# Altium PCB MainBoard.PcbDoc (part 2 of 2)
Units mm, origin at the board's own origin, x right, y up, seen from the top; angles counter-clockwise.
Board outline 225.25 x 90.25 mm, 2 copper layers (Top Layer, Bottom Layer); 103 components, 94 nets, 471 pads, 174 vias.
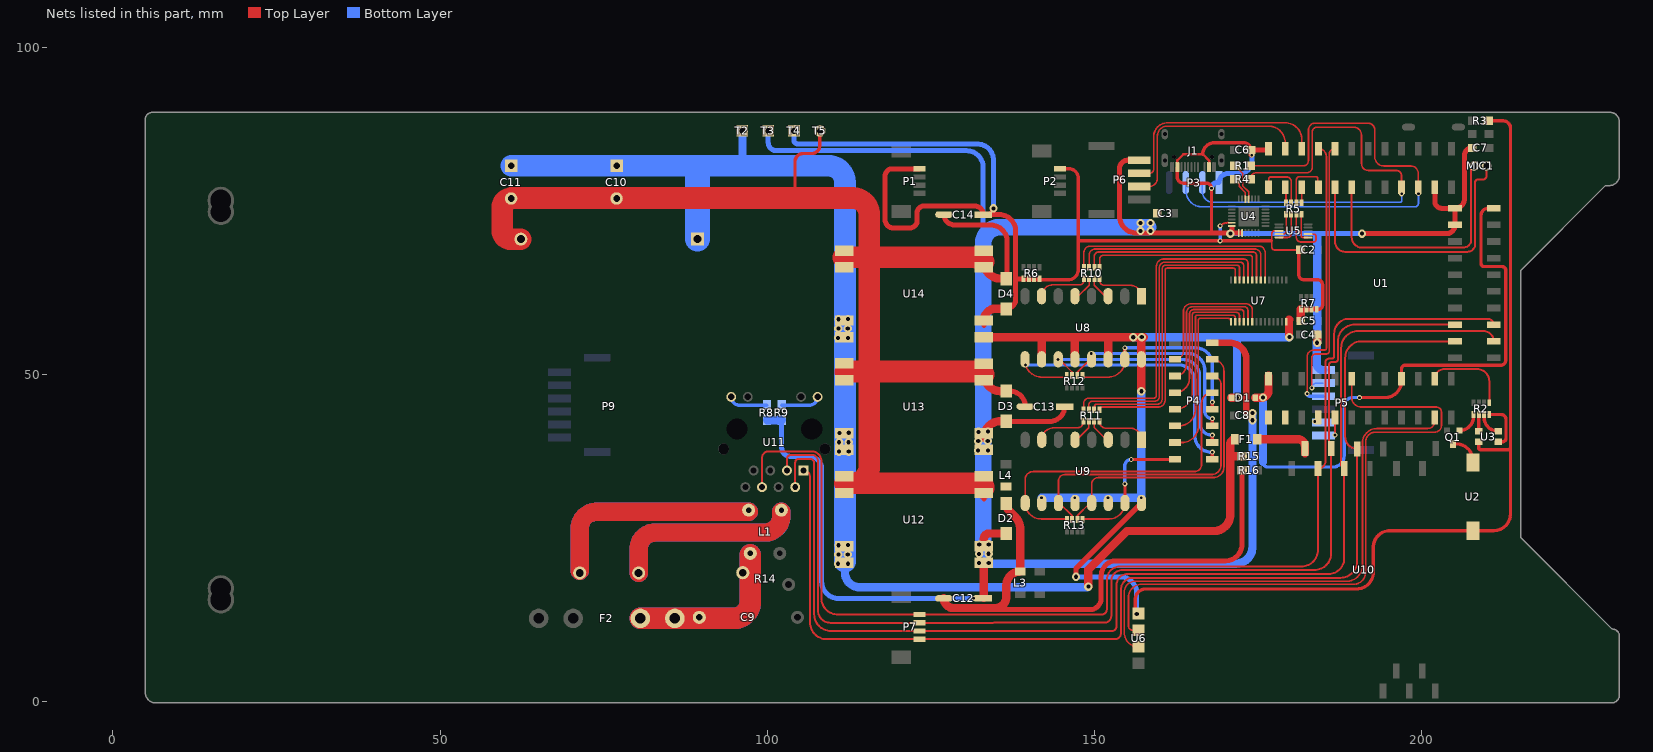
[diagram p2: the nets of this part, all layers, seen from the top]

## Via types
v1: diameter 0.762, hole 0.406, Top Layer to Bottom Layer, 110 vias
v2: diameter 1.27, hole 0.635, Top Layer to Bottom Layer, 64 vias

## Nets (pads, with @x,y where several pads share a name; then routed paths per layer and width w, separated by ;. In a path a pad name is that pad's centre, name@x,y a point inside that pad or via, vN(x,y) a via of type N, cw(c..) or ccw(c..) an arc to the next point about the centre after c; other vN are vias at no path point) (continued)
LEDR(C1): R2.5 U1.45 | length 13.5
  Top Layer w0.305: U1.45@201.973,49.356 cw(c203.467,49.356) 203.467,50.851 208.407,50.851 cw(c208.407,48.959) 210.299,48.959 R2.5@210.299,45.669
MICN: MIC1.2 U1.12 | length 38.9
  Top Layer w0.305: U1.12@189.278,78.618 189.278,70.997 ccw(c190.881,70.997) 190.881,69.393 206.316,69.393 ccw(c206.316,70.62) 207.543,70.62 207.543,81.453 MIC1.2@207.966,81.876
MICP: MIC1.1 U1.10 | length 43.9
  Top Layer w0.305: U1.10@186.738,78.618 186.738,70.278 ccw(c188.258,70.278) 188.258,68.758 206.959,68.758 ccw(c206.959,69.952) 208.153,69.952 208.153,79.4 cw(c208.559,79.4) 208.559,79.807 209.321,79.807 ccw(c209.321,80.376) 209.891,80.376 MIC1.1@209.891,81.266
MOTOR0: P4.1 R12.8 U8.9 | length 48.6
  Top Layer w0.254: U8.9@139.37,52.146 ccw(c141.91,52.146) 141.91,49.606 R12.8@145.745,49.606
  Top Layer w0.508: P4.1@167.982,37.076 v1(167.982,38.137)
  Bottom Layer w0.508: v1(139.446,51.46) 162.865,51.46 cw(c162.865,49.022) 164.256,51.025 cw(c162.865,49.022) 165.303,49.022 165.303,40.677 ccw(c167.843,40.677) 167.843,38.137 v1(167.982,38.137)
MOTOR1: P4.3 R12.7 U8.11 | length 37.8
  Top Layer w0.254: U8.11@144.45,52.324 144.602,52.324 146.545,50.381 R12.7@146.545,49.86
  Top Layer w0.508: P4.3@167.982,39.616 v1(167.982,40.728)
  Bottom Layer w0.508: v1(144.399,52.299) 163.5,52.299 cw(c163.5,49.759) 166.04,49.759 166.04,42.67 ccw(c167.982,42.67) v1(167.982,40.728)
MOTOR2: P4.5 R12.6 U8.13 | length 31.2
  Top Layer w0.254: R12.6@147.345,49.86 147.345,50.343 U8.13@149.327,52.324
  Top Layer w0.508: P4.5@167.982,42.156 v1(167.982,43.256)
  Bottom Layer w0.508: v1(149.504,53.213) 164.287,53.213 cw(c164.287,50.673) 166.827,50.673 166.827,44.411 ccw(c167.982,44.411) v1(167.982,43.256)
MOTOR3: P4.7 R12.5 U8.15 | length 31.4
  Top Layer w0.254: R12.5@148.145,49.606 152.07,49.606 ccw(c152.07,52.146) U8.15@154.61,52.146
  Top Layer w0.508: v1@154.584,54.102 cw(c154.584,54.077) v1(154.61,54.077) U8.15@154.61,52.324 ; P4.7@167.982,44.696 v1(167.982,45.783)
  Bottom Layer w0.508: v1(154.61,54.077) 165.442,54.077 cw(c165.442,51.537) 167.982,51.537 v1(167.982,45.783)
MOTOR4: P4.9 R13.8 U9.9 | length 51.2
  Top Layer w0.254: 145.44,27.94 141.834,27.94 cw(c141.834,30.378) U9.9@139.395,30.378 139.395,33.96 cw(c140.614,33.96) 140.614,35.179 165.278,35.179 ccw(c165.278,36.246) 166.345,36.246 166.345,45.599 cw(c167.982,45.599) P4.9@167.982,47.236
MOTOR5: P4.11 R13.7 U9.11 | length 47.4
  Top Layer w0.254: R13.7@146.571,27.864 146.571,28.41 144.602,30.378 U9.11@144.475,30.378 144.475,33.763 cw(c145.434,33.763) 145.434,34.722 167.822,34.722 ccw(c167.822,36.216) 169.316,36.216 169.316,48.442 ccw(c167.982,48.442) P4.11@167.982,49.776
MOTOR6: P4.13 R13.6 U9.13 | length 45.3
  Top Layer w0.254: R13.6@147.371,27.864 147.371,28.448 U9.13@149.301,30.378 ; U9.13@149.555,30.378 149.555,33.238 cw(c150.582,33.238) 150.582,34.265 168.141,34.265 ccw(c168.141,35.885) 169.762,35.885 169.762,50.537 ccw(c167.982,50.537) P4.13@167.982,52.316
MOTOR7: P4.2 R13.5 U9.15 | length 21.5
  Top Layer w0.254: 148.501,27.94 152.197,27.94 ccw(c152.197,30.378) U9.15@154.635,30.378
  Top Layer w0.508: v1(154.61,33.299) cw(c154.61,33.274) 154.635,33.274 U9.15@154.635,30.378 ; v1(155.6,37.033) 162.231,37.033 162.282,37.084 P4.2@162.282,37.076 P4.2@162.239,37.033
  Bottom Layer w0.508: v1(154.61,33.299) 154.61,36.043 cw(c155.6,36.043) v1(155.6,37.033)
NetC9_2: C9.2 F2.2 L1.1 R14.2 | length 50.8
  Top Layer w3.302: F2.2@80.593,12.751 F2.2@85.863,12.751 94.854,12.751 ccw(c94.854,15.291) 97.394,15.291 L1.1@97.394,22.43
  Bottom Layer w3.302: F2.2@80.593,12.751 F2.2@85.863,12.751 94.854,12.751 ccw(c94.854,15.291) 97.394,15.291 L1.1@97.394,22.43
NetL1_2: L1.2 P9.1 | length 67.5
  Top Layer w2.794: P9.1@71.334,20.015 71.334,26.49 cw(c73.874,26.49) 73.874,29.03 L1.2@97.144,29.03
  Bottom Layer w2.794: P9.1@71.334,20.015 71.334,26.49 cw(c73.874,26.49) 73.874,29.03 L1.2@97.144,29.03
NetL1_3: L1.3 P9.2 | length 57.9
  Top Layer w2.794: P9.2@80.334,19.688 80.334,23.317 cw(c82.874,23.317) 82.874,25.857 99.56,25.857 ccw(c99.56,28.441) 102.144,28.441 L1.3@102.144,29.03
  Bottom Layer w2.794: P9.2@80.334,19.688 80.334,23.317 cw(c82.874,23.317) 82.874,25.857 99.604,25.857 ccw(c99.604,28.397) 102.144,28.397 L1.3@102.144,29.03
NetQ1_1: Q1.1 R2.1 | length 3.7
  Top Layer w0.508: Q1.1@205.728,41.431 ccw(c205.728,43.603) 207.899,43.603 R2.1@207.899,43.891
NetQ1_3: Q1.3 U2.2 | length 4.8
  Top Layer w0.508: Q1.3@204.763,39.399 205.261,39.399 cw(c205.261,36.859) 207.801,36.859 U2.2@207.801,36.552
NetR1_1: R1.1 U4.25 | length 6
  Top Layer w0.254: R1.1@171.459,81.902 172.644,80.717 172.644,78.816 173.537,77.923 U4.25@173.537,76.784
NetR2_2: R2.2 U3.1 | length 2.1
  Top Layer w0.508: U3.1@208.699,41.829 R2.2@208.699,43.891
NetR2_3: R2.3 U3.3 | length 3.8
  Top Layer w0.508: R2.3@209.499,43.891 209.499,43.514 ccw(c211.683,43.514) U3.3@211.683,41.33
NetR2_4: R2.4 U3.4 | length 7.3
  Top Layer w0.508: R2.4@210.299,43.891 212.126,43.891 cw(c212.126,43.165) 212.852,43.165 212.852,40.259 cw(c212.323,40.259) 212.323,39.73 U3.4@211.683,39.73
NetR4_1: R4.1 U4.26 | length 4.2
  Top Layer w0.254: R4.1@171.459,79.391 R4.1@171.459,79.845 172.085,79.219 172.085,78.764 173.037,77.813 U4.26@173.037,76.784
NetR5_5: R5.5 U5.9 | length 4
  Top Layer w0.254: U5.9@178.176,71.452 178.843,71.452 ccw(c178.843,71.882) 179.192,71.63 ccw(c178.843,71.882) 179.273,71.882 179.273,74.435 ccw(c179.235,74.435) R5.5@179.235,74.473
NetR5_6: R5.6 U5.10 | length 5.2
  Top Layer w0.254: U5.10@178.176,70.952 179.511,70.952 ccw(c179.511,71.476) 180.035,71.476 R5.6@180.035,74.473
NetR5_7: R5.7 U5.2 | length 9
  Top Layer w0.254: R5.7@180.835,74.473 180.835,70.929 ccw(c181.508,70.929) 181.508,70.256 183.464,70.256 ccw(c183.464,70.612) 183.82,70.612 183.82,71.171 ccw(c183.539,71.171) 183.539,71.452 U5.2@182.626,71.452
NetR5_8: R5.8 U5.1 | length 4.5
  Top Layer w0.254: R5.8@181.635,74.473 ccw(c181.635,74.397) 181.559,74.397 181.559,71.196 ccw(c181.804,71.196) 181.804,70.952 U5.1@182.626,70.952
NetR8_2: R8.2 U11.12 | length 6.2
  Bottom Layer w0.508: U11.12@94.478,46.588 ccw(c95.744,46.588) 95.744,45.322 R8.2@99.936,45.322
NetR9_2: R9.2 U11.9 | length 6.2
  Bottom Layer w0.508: R9.2@102.197,45.322 106.412,45.322 ccw(c106.412,46.588) U11.9@107.678,46.588
NetR10_1: R10.1 U8.7 | length 8.1
  Top Layer w0.254: U8.7@141.91,61.976 cw(c143.637,61.976) 143.637,63.703 147.701,63.703 ccw(c147.701,64.364) 148.362,64.364 R10.1@148.362,64.618
NetR10_2: R10.2 U8.5 | length 3.8
  Top Layer w0.254: U8.5@146.99,61.976 147.472,61.976 149.162,63.665 R10.2@149.162,64.618
NetR10_3: R10.3 U8.3 | length 3.8
  Top Layer w0.254: R10.3@149.962,64.618 149.962,63.652 151.638,61.976 U8.3@152.07,61.976
NetR10_4: R10.4 U8.1 | length 8
  Top Layer w0.254: R10.4@150.762,64.618 150.762,64.376 ccw(c151.511,64.376) 151.511,63.627 155.499,63.627 cw(c155.499,61.976) U8.1@157.15,61.976
NetR11_5: R11.5 U9.7 | length 8
  Top Layer w0.254: U9.7@141.935,40.03 cw(c143.764,40.03) 143.764,41.859 147.333,41.859 ccw(c147.333,42.85) R11.5@148.324,42.85
NetR11_6: R11.6 U9.5 | length 3.8
  Top Layer w0.254: U9.5@147.015,40.03 147.269,40.03 149.124,41.885 R11.6@149.124,42.85
NetR11_7: R11.7 U9.3 | length 3.6
  Top Layer w0.254: R11.7@149.924,42.85 149.924,41.923 U9.3@151.816,40.03
NetR11_8: R11.8 U9.1 | length 8.1
  Top Layer w0.254: R11.8@150.724,42.85 ccw(c151.765,42.85) 151.765,41.808 155.397,41.808 cw(c155.397,40.03) U9.1@157.175,40.03
PGND: C10.2 C11.2 C12.2 C13.2 C14.2 D2.1 D3.1 D4.1 L3.1 L4.2 P9.4 R16.2 T5.1 U12.1 U12.4 U13.1 U13.4 U14.1 U14.4 | length 307.9
  Top Layer w0.508: 104.216,76.973 104.216,82.499 cw(c105.486,82.499) 105.486,83.769 106.756,83.769 ccw(c106.756,85.039) 108.026,85.039 T5.1@108.026,87.224
  Top Layer w0.762: C14.2@126.997,74.447 ccw(c128.597,74.447) 128.597,72.847 134.112,72.847 cw(c134.112,70.307) 136.652,70.307 D4.1@136.652,64.668 ; 133.083,30.95 U12.4@133.083,31.905 ; 135.026,14.072 149.25,14.072 ccw(c149.25,15.824) 151.003,15.824 151.003,19.228 cw(c153.314,19.228) 153.314,21.539 170.019,21.539 ccw(c170.019,24.028) 172.508,24.028 R16.2@172.508,35.395 ; D3.1@136.525,47.473 137.056,47.473 cw(c137.056,45.11) C13.2@139.418,45.11 ccw(c137.081,45.11) D3.1@137.081,47.447
  Top Layer w1.27: C12.2@126.972,15.799 ccw(c128.445,15.799) 128.445,14.326 134.798,14.326 ccw(c134.798,16.053) 136.525,16.053 136.525,17.798 cw(c138.63,17.798) L3.1@138.63,19.903 138.63,26.434 ccw(c136.09,26.434) 137.886,28.23 137.002,29.114 cw(c138.217,30.328) D2.1@136.5,30.328 ; U13.4@133.083,49.147 133.083,50.013 ccw(c135.623,50.013) 135.623,47.473 D3.1@136.525,47.473 ; 133.083,67.208 ccw(c135.623,67.208) 135.623,64.668 D4.1@136.652,64.668
  Top Layer w2.032: U12.4@133.083,32.639 U12.4@133.083,34.061
  Top Layer w3.302: P9.4@62.334,70.688 60.757,70.688 cw(c60.757,71.933) 59.512,71.933 59.512,75.554 cw(c60.858,75.554) C11.2@60.858,76.9 cw(c60.931,76.9) 60.931,76.973 104.216,76.973 113.03,76.973 cw(c113.03,74.433) 115.57,74.433 115.57,67.92 ; 111.608,67.818 cw(c111.709,67.818) 111.709,67.92 115.57,67.92 ; 111.862,33.376 113.03,33.376 ; 111.938,50.394 cw(c112.014,50.394) 112.014,50.47 115.57,50.47 ; U12.4@133.083,32.639 ccw(c132.347,32.639) 132.347,33.376 113.03,33.376 ; 133.083,50.013 ccw(c131.98,48.909) 131.98,50.47 115.57,50.47 ; 133.083,67.208 ccw(c131.366,65.491) 131.366,67.92 115.57,67.92 ; 113.03,33.376 ccw(c113.03,35.916) 115.57,35.916 115.57,50.47 ; 115.57,50.47 115.57,67.92
PLC_12V: F1.2 U10.11 | length 8.9
  Top Layer w1.27: F1.2@174.866,40.107 181.073,40.107 cw(c181.073,39.042) 182.138,39.042 U10.11@182.138,37.998
PWM0: R10.8 U7.6 | length 35.2
  Top Layer w0.254: R10.8@148.362,66.396 148.362,68.631 cw(c149.352,68.631) 149.352,69.621 175.108,69.621 cw(c175.108,68.682) 176.048,68.682 U7.6@176.048,64.458
PWM1: R10.7 U7.7 | length 32.9
  Top Layer w0.254: R10.7@149.162,66.396 149.162,68.225 cw(c150.126,68.225) 150.126,69.19 174.447,69.19 cw(c174.447,68.239) 175.398,68.239 U7.7@175.398,64.458
PWM2: R10.6 U7.8 | length 30.9
  Top Layer w0.254: R10.6@149.962,66.396 149.962,68.072 cw(c150.622,68.072) 150.622,68.732 174.219,68.732 cw(c174.219,68.204) 174.747,68.204 U7.8@174.747,64.458
PWM3: R10.5 U7.9 | length 28.5
  Top Layer w0.254: R10.5@150.762,66.396 150.762,67.585 cw(c151.427,67.585) 151.427,68.25 173.685,68.25 cw(c173.685,67.838) 174.097,67.838 U7.9@174.097,64.458
PWM4: R11.4 U7.10 | length 50.1
  Top Layer w0.254: R11.4@148.324,44.628 148.324,45.578 cw(c149.151,45.578) 149.151,46.406 150.102,46.406 159.038,46.406 ccw(c159.038,46.803) 159.436,46.803 159.436,66.495 cw(c160.606,66.495) 160.606,67.666 172.771,67.666 cw(c172.771,66.989) 173.448,66.989 U7.10@173.448,64.458
PWM5: R11.3 U7.11 | length 47.9
  Top Layer w0.254: R11.3@149.124,44.628 149.124,45.382 cw(c149.689,45.382) 149.689,45.947 159.248,45.947 ccw(c159.248,46.581) 159.882,46.581 159.882,66.259 cw(c160.806,66.259) 160.806,67.183 172.187,67.183 cw(c172.187,66.572) 172.771,66.751 cw(c172.187,66.572) 172.798,66.572 U7.11@172.798,64.458 ; U7.11@172.771,64.329 U7.11@172.771,64.458
PWM6: R11.2 U7.12 | length 45.4
  Top Layer w0.254: R11.2@149.924,44.92 ccw(c149.924,44.978) 149.981,44.978 149.981,45.164 cw(c150.283,45.164) 150.283,45.466 150.762,45.466 ; 150.761,45.441 ccw(c149.924,45.466) 150.762,45.466 ; U7.12@172.148,64.458 172.148,66.282 ccw(c171.704,66.282) 171.704,66.726 160.909,66.726 ccw(c160.909,66.142) 160.325,66.142 160.325,46.285 cw(c159.506,46.285) 159.506,45.466 150.762,45.466
PWM7: R11.1 U7.13 | length 43.9
  Top Layer w0.254: 151.117,45.034 ccw(c151.117,44.641) R11.1@150.724,44.641 ; U7.13@171.498,64.458 171.498,65.942 ccw(c171.171,65.942) 171.171,66.269 161.113,66.269 ccw(c161.113,65.933) 160.777,65.933 160.777,46.091 cw(c159.721,46.091) 159.721,45.034 151.13,45.034 ccw(c151.13,44.628) R11.1@150.724,44.641 ; R11.1@150.724,44.641 ccw(c151.13,44.628) R11.1@150.724,44.628 R11.1@150.724,44.641
PWM8: P4.4 U7.15 | length 26.7
  Top Layer w0.254: P4.4@162.282,39.616 163.322,39.616 ccw(c163.322,42.156) 165.862,42.156 165.862,58.321 cw(c166.164,58.321) 166.164,58.623 170.283,58.623 cw(c170.283,58.058) U7.15@170.848,58.058
PWM9: P4.6 U7.16 | length 25.8
  Top Layer w0.254: P4.6@162.282,42.156 162.865,42.156 ccw(c162.865,44.696) 165.405,44.696 165.405,58.789 cw(c165.696,58.789) 165.696,59.08 171.069,59.08 cw(c171.069,58.652) 171.498,58.652 U7.16@171.498,58.058
PWM10: P4.8 U7.17 | length 24.6
  Top Layer w0.254: P4.8@162.282,44.696 162.382,44.696 ccw(c162.382,47.236) 164.922,47.236 164.922,59.106 cw(c165.329,59.106) 165.329,59.512 171.628,59.512 cw(c171.628,58.992) 172.148,58.992 U7.17@172.148,58.058
PWM11: P4.10 U7.18 | length 23.6
  Top Layer w0.254: P4.10@162.282,47.236 ccw(c162.282,49.445) 164.49,49.445 164.49,59.22 cw(c165.214,59.22) 165.214,59.944 172.314,59.944 cw(c172.314,59.46) 172.798,59.46 U7.18@172.798,58.058
PWM12: P4.12 U7.19 | length 22.6
  Top Layer w0.254: P4.12@162.282,49.776 ccw(c162.282,51.528) 164.033,51.528 164.033,59.385 cw(c165.024,59.385) 165.024,60.376 172.954,60.376 cw(c172.771,59.724) 173.448,59.724 U7.19@173.448,58.058
PWM13: P4.14 U7.20 | length 21.6
  Top Layer w0.254: P4.14@162.282,52.316 ccw(c162.282,53.61) 163.576,53.61 163.576,59.684 cw(c164.7,59.684) 164.7,60.808 173.126,60.808 cw(c173.126,59.837) 174.097,59.837 U7.20@174.097,58.058
RXIN: P7.1 U1.54 U10.10 U11.6 | length 181.6
  Top Layer w0.305: U11.6@99.178,32.798 99.178,37.213 cw(c100.243,37.213) 100.243,38.278 106.719,38.278 cw(c106.719,36.742) 108.255,36.742 108.255,15.865 ccw(c110.795,15.865) 110.795,13.325 P7.1@123.257,13.325 150.997,13.325 ccw(c150.997,14.22) 151.892,14.22 151.892,18.72 cw(c153.848,18.72) 153.848,20.676 181.598,20.676 ccw(c181.598,23.216) 184.138,23.216 U10.10@184.138,35.636 ccw(c184.138,36.766) 185.268,36.766 185.268,51.868 cw(c185.825,51.868) 185.825,52.426 186.207,52.426 ccw(c186.207,52.832) 186.614,52.832 186.614,56.261 cw(c188.874,56.261) 188.874,58.522 210.087,58.522 cw(c210.087,57.627) U1.54@210.981,57.627
RXIP: P7.2 U1.53 U10.9 U11.3 | length 170.9
  Top Layer w0.305: U11.3@102.988,35.338 102.988,37.087 cw(c103.62,37.087) 103.62,37.719 106.811,37.719 cw(c106.811,36.809) 107.721,36.809 107.721,13.995 ccw(c109.642,13.995) 109.642,12.075 P7.2@123.257,12.075 134.495,12.075 ; 134.662,12.083 151.502,12.083 ccw(c151.502,13.133) 152.552,13.133 152.552,18.44 cw(c154.254,18.44) 154.254,20.142 183.598,20.142 ccw(c183.598,22.682) 186.138,22.682 U10.9@186.138,38.684 ; U10.9@186.392,38.684 cw(c186.392,39.25) 185.826,39.25 185.826,51.499 cw(c186.245,51.499) 186.245,51.918 186.741,51.918 ccw(c186.741,52.349) 187.173,52.349 187.173,55.087 cw(c189.713,55.087) 189.713,57.627 U1.53@205.081,57.627
SPI1_CLK: R5.1 U1.6 | length 2.8
  Top Layer w0.254: R5.1@181.635,75.844 181.635,78.596 U1.6@181.658,78.618
SPI1_CS: R5.2 U1.8 | length 9
  Top Layer w0.254: R5.2@180.835,75.844 180.835,79.769 cw(c181.305,79.769) 181.305,80.239 183.82,80.239 cw(c183.82,79.985) 184.074,79.985 184.074,78.742 ccw(c184.198,78.742) U1.8@184.198,78.618
SPI1_MISO: R5.4 U1.4 | length 2.8
  Top Layer w0.254: U1.4@179.118,78.618 179.235,78.501 R5.4@179.235,75.844
SPI1_MOSI: R5.3 U1.2 | length 8.9
  Top Layer w0.254: U1.2@176.578,78.618 ccw(c176.578,78.672) 176.632,78.672 176.632,79.934 cw(c176.886,79.934) 176.886,80.188 179.349,80.188 cw(c179.349,79.502) 180.035,79.502 R5.3@180.035,75.844
SYS_3.3V: D1.1 U1.25 U1.41 U1.68 | length 93.7
  Top Layer w0.508: v1(190.475,46.482) 194.353,46.482 ccw(c194.353,49.022) 196.893,49.022 U1.41@196.893,49.356 196.893,50.868 cw(c197.46,50.868) 197.46,51.435 212.065,51.435 ccw(c212.065,52.197) 212.827,52.197 212.827,65.935 ccw(c212.265,65.935) 212.265,66.497 209.541,66.497 cw(c209.541,66.996) 209.042,66.996 209.042,74.295 cw(c210.154,74.295) 210.154,75.407 U1.68@210.981,75.407
  Top Layer w1.27: D1.1@174.53,46.458 175.475,46.458 ccw(c175.475,47.555) 176.573,47.555 U1.25@176.573,49.356 U1.25@176.573,49.835
  Bottom Layer w0.508: 175.743,36.627 ccw(c176.505,36.627) 176.505,35.865 186.378,35.865 ccw(c186.378,37.617) 188.13,37.617 188.13,45.213 cw(c189.399,45.213) 189.399,46.482 v1(190.475,46.482)
  Bottom Layer w1.27: 175.743,36.627 v2(175.743,46.482)
TXON: P7.3 U1.52 U10.8 U11.2 | length 179.3
  Top Layer w0.305: U11.2@104.258,32.798 104.258,36.567 cw(c104.8,36.567) 104.8,37.109 106.534,37.109 cw(c106.534,36.481) 107.163,36.481 107.163,13.365 ccw(c109.703,13.365) 109.703,10.825 P7.3@123.257,10.825 152.679,10.825 ccw(c152.679,11.485) 153.34,11.485 153.34,17.856 cw(c155.016,17.856) 155.016,19.533 185.75,19.533 ccw(c185.75,21.92) 188.138,21.92 U10.8@188.138,35.636 ; U10.8@187.681,36.093 187.681,54.102 cw(c190.221,54.102) 190.221,56.642 209.426,56.642 cw(c209.426,55.087) U1.52@210.981,55.087
TXOP: P7.4 U1.51 U10.7 U11.1 | length 168.8
  Top Layer w0.305: U11.1@105.528,35.338 cw(c105.528,34.338) 106.528,34.338 106.528,12.115 ccw(c109.068,12.115) 109.068,9.575 P7.4@123.257,9.575 153.124,9.575 ccw(c153.124,10.477) 154.026,10.477 154.026,17.12 cw(c155.854,17.12) 155.854,18.948 187.573,18.948 ccw(c187.573,21.488) 190.113,21.488 U10.7@190.113,38.659 cw(c190.113,40.482) 188.29,40.482 188.29,52.547 cw(c190.83,52.547) 190.83,55.087 U1.51@205.081,55.087
UART0_RXD: P3.2 R4.2 U1.18 | length 71.7
  Top Layer w0.254: R4.2@173.745,79.845 cw(c174.723,79.845) 174.723,80.823 182.372,80.823 ccw(c182.372,81.712) 183.261,81.712 183.261,87.075 cw(c183.993,87.075) 183.993,87.808 189.535,87.808 cw(c189.535,86.563) 190.779,86.563 190.779,82.241 ccw(c191.842,82.241) 191.842,81.178 196.104,81.178 cw(c196.104,80.385) 196.898,80.385 U1.18@196.898,78.618
  Bottom Layer w0.254: P3.2@166.471,79.336 166.471,77.953 ccw(c168.123,77.953) 168.123,76.302 196.589,76.302 ccw(c196.589,76.665) 196.952,76.665 v1@196.952,77.495
  other v1: 196.926,77.622
UART0_TXD: P3.3 R1.2 U1.20 | length 79.7
  Top Layer w0.254: R1.2@173.745,81.902 181.902,81.902 ccw(c181.902,82.677) 182.677,82.677 182.677,87.383 cw(c183.711,87.383) 183.711,88.417 191.745,88.417 cw(c191.745,87.351) 192.811,87.351 192.811,83.236 ccw(c194.183,83.236) 194.183,81.864 198.346,81.864 cw(c198.346,80.773) 199.438,80.773 U1.20@199.438,78.618
  Bottom Layer w0.254: P3.3@163.931,79.336 163.931,78.156 ccw(c166.471,78.156) 166.471,75.616 198.907,75.616 ccw(c198.907,76.2) 199.492,76.2 v1(199.492,77.648)
UART1_RXD: P5.6 U1.34 | length 2.7
  Top Layer w0.254: v1(186.733,40.767) U1.34@186.733,43.456
UART1_TXD: P5.5 U1.32
  other v1: 183.617,42.824
UART2_RXD: U1.46 U6.4 | length 81.5
  Top Layer w0.254: U6.4@155.835,8.405 U6.4@156.713,8.405 cw(c156.713,10.585) 154.534,10.585 154.534,16.789 cw(c156.159,16.789) 156.159,18.415 188.49,18.415 ccw(c188.49,20.853) 190.928,20.853 190.928,39.548 cw(c193.138,39.548) 193.138,41.758 200.889,41.758 ccw(c200.889,42.842) 201.917,42.499 ccw(c200.889,42.842) 201.973,42.842 U1.46@201.973,43.456
UART2_TXD: U1.35 U6.3 | length 97.5
  Top Layer w0.254: U6.3@156.713,10.945 155.806,10.945 cw(c155.806,11.582) 155.169,11.582 155.169,15.933 cw(c157.194,15.933) 157.194,17.958 189.56,17.958 ccw(c189.56,19.812) 191.414,19.812 191.414,39.7 cw(c192.913,39.7) 192.913,41.199 201.97,41.199 ccw(c201.97,42.226) 202.997,42.226 202.997,44.272 ccw(c202.235,44.272) 202.235,45.034 190.779,45.034 cw(c190.779,46.541) 189.273,46.541 U1.35@189.273,49.356
USB_DM1: P6.2 U1.5 | length 34.2
  Top Layer w0.254: P6.2@156.823,80.747 158.369,80.747 ccw(c158.369,81.407) 158.968,81.129 ccw(c158.369,81.407) 159.029,81.407 159.029,86.335 cw(c161.163,86.335) 161.163,88.468 179.118,88.468 cw(c179.118,85.928) 181.658,85.928 U1.5@181.658,84.518
USB_DM2: P5.2 U1.9 | length 41.4
  Top Layer w0.254: v1(183.185,47.981) 183.185,52.554 cw(c183.768,52.554) 183.768,53.137 185.395,53.137 ccw(c185.395,53.594) 185.852,53.594 185.852,83.633 cw(c186.738,83.633) U1.9@186.738,84.518
  Bottom Layer w0.254: v1(183.185,47.981) cw(c183.897,47.981) 183.897,48.693 P5.2@184.954,48.693
USB_DP1: P6.3 U1.3 | length 32.7
  Top Layer w0.254: P6.3@156.823,78.747 158.349,78.747 ccw(c158.349,79.986) 159.588,79.986 159.588,86.436 cw(c161.112,86.436) 161.112,87.96 176.578,87.96 cw(c176.578,85.42) 179.118,85.42 U1.3@179.118,84.518
USB_DP2: P5.3 U1.7 | length 43.2
  Top Layer w0.254: v1(182.468,47.086) 182.468,52.697 cw(c183.517,52.697) 183.517,53.746 185.141,53.746 ccw(c185.141,54.026) 185.42,54.026 185.42,83.296 ccw(c184.198,83.296) U1.7@184.198,84.518
  Bottom Layer w0.508: v1(182.468,47.086) ccw(c182.86,47.086) 182.86,46.693 P5.3@184.954,46.693
VDD_3.3V: C2.1 C5.2 C14.1 D1.2 D4.2 P1.1 P2.1 R3.2 R6.1 R6.2 R6.3 R6.4 R7.5 R7.6 R7.7 R7.8 T4.1 U2.1 U3.2 U4.6 U5.8 U6.2 U7.28 U8.10 U8.12 U8.14 U8.16 U9.10 U9.12 U9.14 U9.16 U14.3 | length 462.6
  Top Layer w0.254: U4.6@170.363,73.206 U4.6@170.959,73.206 ; U5.8@178.176,71.952 177.463,71.952 ccw(c177.463,71.577) 177.089,71.577 177.089,69.444 ccw(c177.495,69.444) 177.495,69.037 181.296,69.037 181.392,69.037 ccw(c181.392,69.077) C2.1@181.433,69.077
  Top Layer w0.305: v1(169.189,72.72) cw(c170.363,71.547) U4.6@170.363,73.206
  Top Layer w0.508: 141.148,64.618 ccw(c141.3,64.618) 141.3,64.465 145.923,64.465 ccw(c145.923,66.04) 147.498,66.04 147.498,70.434 ; P2.1@144.72,81.442 146.089,81.442 cw(c146.089,80.033) 147.498,80.033 147.498,70.434 ; v2(156.439,13.411) cw(c156.439,13.64) 156.21,13.64 156.21,15.621 cw(c157.836,15.621) 157.836,17.247 190.043,17.247 ccw(c190.043,19.787) 192.583,19.787 192.583,23.612 cw(c195.123,23.612) 195.123,26.152 U2.1@207.801,26.152 210.998,26.152 ccw(c210.998,28.692) 213.538,28.692 213.538,87.655 ccw(c212.433,87.655) 212.433,88.76 R3.2@210.092,88.76 ; 176.987,70.434 147.498,70.434 ; C2.1@181.433,69.077 ccw(c181.433,68.823) 181.296,69.037 ccw(c181.433,68.823) 181.178,68.823 181.178,65.288 ccw(c181.976,65.288) 181.976,64.491 184.074,64.491 cw(c184.074,63.729) 184.836,63.729 184.836,60.604 cw(c184.226,60.604) 184.226,59.995 R7.8@183.947,59.995 183.515,59.995 ; U3.2@208.683,39.73 208.683,38.815 ccw(c208.991,38.815) 208.991,38.506 213.258,38.506 ccw(c213.258,38.608) 213.36,38.608
  Top Layer w0.762: P1.1@123.257,81.442 119.112,81.442 ccw(c119.112,80.313) 117.983,80.313 117.983,73.651 ccw(c119.244,73.651) 119.244,72.39 121.742,72.39 ccw(c121.742,73.533) 122.885,73.533 122.885,74.727 cw(c123.901,74.727) 123.901,75.743 131.702,75.743 cw(c131.702,74.447) C14.1@132.997,74.447 C14.1@133.604,74.447 ; U14.3@133.083,57.528 U14.3@133.083,58.261 ; v2(134.544,75.387) cw(c133.604,75.387) C14.1@133.604,74.447 ; D4.2@136.773,60.074 ccw(c136.474,61.516) 137.947,61.516 137.947,71.907 ccw(c135.407,71.907) 135.407,74.447 C14.1@133.604,74.447 ; 138.151,64.618 R6.1@139.167,64.618 R6.2@139.967,64.618 R6.3@140.767,64.618 141.148,64.618 ; v2(147.168,19.101) 147.168,20.371 U9.16@157.175,30.378 ; v2(156.439,13.411) U6.2@156.439,13.485 ; R7.5@181.547,59.995 R7.6@182.347,59.995 R7.7@183.147,59.995 183.515,59.995
  Top Layer w1.27: U14.3@133.083,55.721 142.037,55.721 ; U14.3@133.083,58.261 cw(c134.896,58.261) 134.754,60.068 cw(c134.896,58.261) 134.896,60.074 D4.2@136.773,60.074 ; U8.10@141.91,52.324 141.91,55.594 cw(c142.037,55.594) 142.037,55.721 ; U8.12@146.99,52.324 146.99,55.321 ; U8.14@152.07,52.324 152.07,55.347 ; v2(157.15,47.447) U8.16@157.15,52.324 v2@157.15,55.721 ; v2@157.487,55.721 v2(157.201,55.721) 142.037,55.721 ; D1.2@170.872,46.475 v2@171.755,46.475 ; v2@179.705,55.728 179.705,58.395 179.73,58.42 ; C5.2@181.508,58.202 181.508,59.956 cw(c181.547,59.956) R7.5@181.547,59.995
  Bottom Layer w0.508: v1(169.189,70.434) v1(169.189,72.72)
  Bottom Layer w0.762: T4.1@104.081,87.224 104.081,85.784 ccw(c104.623,85.784) 104.623,85.242 132.029,85.242 cw(c132.029,82.702) 134.569,82.702 134.569,75.413 cw(c134.544,75.413) v2(134.544,75.387) ; v2(147.168,19.101) 153.899,19.101 cw(c153.899,16.561) 156.439,16.561 v2(156.439,13.411)
  Bottom Layer w1.27: v1(141.884,31.191) v1(146.99,31.191) v1(152.044,31.191) v1(157.15,31.191) v2(157.15,47.447) ; v2@155.905,55.721 v2(157.201,55.721) 172.339,55.721 ; v2(171.755,46.457) 171.755,55.137 cw(c172.339,55.137) 172.339,55.721 ; v2@179.756,55.728 v2(179.756,55.721) 172.339,55.721
  other v2: 155.905,55.702
VDD_5.0V: C3.1 C4.1 C6.2 C7.2 C8.2 C12.1 C13.1 D2.2 D3.2 J1.A4 J1.A9 J1.B4 J1.B9 P3.1 P4.15 P5.1 P6.1 R8.1 R9.1 T3.1 U1.1 U1.22 U1.26 U1.28 U1.65 U1.67 U4.7 U4.8 U4.9 U12.3 U13.3 | length 436.9
  Top Layer w0.381: J1.A9@162.625,81.849 162.625,82.713 163.576,83.664 163.576,83.668 166.524,83.668 167.488,82.704 J1.A4@167.488,81.876
  Top Layer w0.508: J1.A9@162.636,81.607 162.636,80.155 ccw(c163.543,80.155) 163.543,79.248 167.081,79.248 cw(c167.081,78.461) v1(167.869,78.461) 167.869,71.68 cw(c167.818,71.68) 167.818,71.629 ; 166.524,83.668 cw(c168.277,83.668) 168.277,85.42 172.786,85.42 cw(c172.786,84.317) C6.2@173.889,84.317 ; 168.504,71.68 ccw(c168.554,71.68) 168.554,71.629
  Top Layer w0.762: D3.2@136.525,42.873 ccw(c136.55,42.873) 136.55,42.847 143.155,42.847 ccw(c143.155,45.11) C13.1@145.418,45.11 ; P6.1@156.823,82.747 155.051,82.747 ccw(c155.051,81.518) 153.823,81.518 153.823,74.169 ccw(c156.363,74.169) 156.363,71.629 167.818,71.629 168.554,71.629 v2@170.993,71.629 ; 170.993,72.466 v2@170.993,71.629 ; 172.318,71.629 U4.8@172.037,71.629 v2@170.993,71.629 ; C8.2@173.304,44.363 ccw(c173.914,44.363) C8.2@173.914,43.753 ; v1(174.015,83.515) cw(c174.015,83.642) 173.889,83.642 C6.2@173.889,84.317 176.376,84.317 ccw(c176.376,84.518) U1.1@176.578,84.518 ; v2(190.856,71.526) 203.74,71.526 ccw(c203.74,72.867) U1.65@205.081,72.867 U1.67@205.081,75.407 ; U1.22@201.978,78.618 201.978,76.461 ccw(c203.032,76.461) 203.032,75.407 U1.67@205.081,75.407 ; U1.67@205.081,75.407 ccw(c205.081,76.854) 206.527,76.854 206.527,83.552 ; 206.527,83.552 cw(c207.594,83.552) 207.594,84.618 ccw(c207.594,83.552) 206.527,83.552
  Top Layer w1.016: P4.15@167.982,54.856 170.637,54.856 cw(c170.637,52.316) 173.177,52.316 173.177,44.49 ccw(c173.914,44.49) C8.2@173.914,43.753
  Top Layer w1.27: C12.1@133.083,15.91 U12.3@133.083,21.158 ; U12.3@133.083,24.028 133.083,24.928 cw(c133.883,24.928) 133.883,25.728 D2.2@136.5,25.728 ; U13.3@133.083,40.333 cw(c135.623,40.333) 135.623,42.873 D3.2@136.525,42.873 ; v2(183.997,54.864) C4.1@183.997,56.119
  Bottom Layer w0.762: T3.1@100.135,87.224 100.135,85.458 ccw(c101.393,85.458) 101.393,84.201 130.429,84.201 cw(c130.429,81.661) 132.969,81.661 132.969,69.977 ; R9.1@102.197,43.036 102.197,38.779 ccw(c103.46,38.779) 103.46,37.516 106.324,37.516 cw(c106.324,35.535) 108.306,35.535 108.306,18.339 ccw(c110.846,18.339) 110.846,15.799 v1(131.547,15.799) ; v1(167.869,78.461) cw(c168.744,78.461) 168.744,79.336 P3.1@169.011,79.336 cw(c170.37,79.336) 170.37,80.696 172.161,80.696 ccw(c172.161,82.55) 174.015,82.55 v1(174.015,83.515) ; v2@170.688,71.577 ccw(c170.739,71.577) v2(170.739,71.526) v2(190.856,71.526)
  Bottom Layer w1.27: R8.1@99.936,43.036 R9.1@102.197,43.036 ; 133.452,21.717 ccw(c134.061,21.717) 134.061,21.107 171.577,21.107 ccw(c171.577,23.647) 174.117,23.647 v2@174.117,44.044 ; v2@183.921,54.966 183.921,51.726 ccw(c184.954,51.726) P5.1@184.954,50.693 ; v2(183.997,54.864) 183.997,71.171
  Bottom Layer w2.54: 132.969,23.406 132.969,69.977 cw(c135.509,69.977) 135.509,72.517 158.217,72.517
  other v2: 132.334,21.184 133.833,21.184 132.359,22.606 133.807,22.619 132.385,24.028 133.833,24.054 132.207,38.405 133.706,38.405 132.232,39.827 133.68,39.84 132.258,41.25 133.706,41.275 174.117,43.028 174.117,44.12 157.023,71.958 158.547,71.958 157.023,73.152 158.547,73.152
VDD_12.0V: C10.1 C11.1 F1.1 P9.3 R15.1 T2.1 U12.2 U13.2 U14.2 | length 208.7
  Top Layer w1.27: v2(149.047,17.602) 149.047,20.218 154.915,26.086 168.199,26.086 ccw(c168.199,28.626) 170.739,28.626 170.739,37.363 ; F1.1@171.437,40.107 ccw(c171.437,39.408) 170.739,39.408 170.739,37.363 ; R15.1@172.508,37.529 170.904,37.529 ccw(c170.904,37.363) 170.739,37.363
  Bottom Layer w1.27: T2.1@96.19,87.224 96.19,82.027 ccw(c96.317,82.027) 96.317,81.9 ; v2@111.862,21.412 111.862,19.736 ccw(c114.097,19.736) 114.097,17.501 v2@148.869,17.501 ; 111.862,27.661 112.319,28.118
  Bottom Layer w3.302: C11.1@60.858,81.9 C10.1@76.962,81.9 96.317,81.9 109.322,81.9 cw(c109.322,79.36) 111.862,79.36 111.862,27.661 v2@111.862,21.412
  Bottom Layer w3.81: P9.3@89.334,70.688 89.334,81.1
  other v2: 110.82,21.082 112.319,21.082 110.846,22.504 112.293,22.517 110.871,23.927 112.319,23.952 110.947,38.227 112.446,38.227 110.973,39.649 112.42,39.662 110.998,41.072 112.446,41.097 110.82,55.601 112.319,55.601 110.846,57.023 112.293,57.036 110.871,58.445 112.319,58.471
pads on no net: J1.0 J1.A5 J1.A8 J1.B5 J1.B8 P1.0 P2.0 P5.0 P6.0 P7.0 P8.0 P10.0 P11.0 R7.1 U1.11 U1.13 U1.14 U1.16 U1.19 U1.21 U1.36 U1.37 U1.38 U1.39 U1.40 U1.42 U1.44 U1.55 U1.56 U1.57 U1.58 U1.61 U1.63 U4.1 U4.2 U4.10 U4.11 U4.12 U4.13 U4.14 U4.15 U4.16 U4.17 U4.18 U4.19 U4.20 U4.21 U4.22 U4.23 U4.24 U4.27 U4.28 U5.6 U5.7 U7.21 U7.22 U10.0 U10.2 U10.3 U10.4 U10.5 U10.6 U10.14 U10.15 U11.4 U11.5 U11.7 U11.MH3

## Polygon pours and split planes (outlines as drawn)
DGND on Bottom Layer "Top Layer-No Net" (solid, remove dead copper, pour order 2): 56.109,88.011 56.109,93.193 cw(c58.649,93.193) 58.649,95.733 62.89,95.733 212.877,95.733 cw(c212.877,93.193) 215.417,93.193 215.417,75.794 215.417,1.219 cw(c212.877,1.219) 212.877,-1.321 209.702,-1.321 58.623,-1.321 cw(c58.623,1.219) 56.083,1.219 56.083,5.283 56.083,93.624 cw(c58.217,93.624) 58.217,95.758
DGND on Top Layer "Top Layer-No Net" (solid, remove dead copper, pour order 4): 56.134,85.115 56.134,88.24 cw(c58.166,88.24) 58.166,90.272 212.065,90.272 cw(c212.065,87.732) 214.605,87.732 214.605,86.487 214.605,0.127 cw(c212.065,0.127) 212.065,-2.413 60.477,-2.413 58.725,-2.413 cw(c58.725,0.127) 56.185,0.127 56.185,3.327

## Keep-outs
Keep-Out Layer:
  circle w0.254: c50.066,85.704 r1.6
  circle w0.254: c137.066,85.7 r1.6
  circle w0.254: c137.066,4.2 r1.6
  lines w0.254: 6,89.95 228.695,89.95 cw(c228.695,88.578) 230.066,88.578 230.066,80.431 cw(c228.636,80.431) 228.636,79 228,79 215,66 215,25 229,11 229.066,11 cw(c229.066,10) 230.066,10 230.066,1.066 cw(c228.95,1.066) 228.95,-0.05 6.566,-0.05 cw(c6.566,1.45) 5.066,1.45 5.066,88.926 cw(c6.09,88.926) 6.09,89.95 ; 38,11.045 38,38.555 cw(c39.29,38.555) 39.29,39.845 48.808,39.845 cw(c48.808,38.653) 50,38.653 50,10.936 cw(c48.909,10.936) 48.909,9.845 39.3,9.845 cw(c39.3,11.145) 38,11.145 ; 38.193,51.045 38.193,78.555 cw(c39.483,78.555) 39.483,79.845 49.001,79.845 cw(c49.001,78.653) 50.193,78.653 50.193,50.936 cw(c49.102,50.936) 49.102,49.845 39.493,49.845 cw(c39.493,51.145) 38.193,51.145 ; 109.64,60.715 ccw(c108.7,60.715) 108.7,61.655 93.288,61.655 ccw(c93.288,60.73) 92.363,60.73 92.363,51.789 ccw(c93.202,51.789) 93.202,50.951 108.766,50.951 ccw(c108.766,51.825) 109.64,51.825 109.64,60.731 ; 51.666,4.224 ccw(c50.066,4.2) 51.666,4.224

## Other copper
Top Layer:
  region net VDD_5.0V: 134.62,24.663 131.851,24.663 131.851,20.472 134.62,20.472
  region net VDD_5.0V: 134.493,41.885 131.724,41.885 131.724,37.694 134.493,37.694
  region net VDD_3.3V: 182.169,59.03 179.07,59.03 179.07,57.48 182.169,57.48
  region net DGND: 183.007,45.618 181.178,45.618 181.178,42.418 183.007,42.418
  region net PGND: 137.363,35.154 131.597,35.154 131.597,29.286 137.363,29.286
  region net VDD_12.0V: 113.106,59.08 110.338,59.08 110.338,54.889 113.106,54.889
  region net VDD_12.0V: 113.233,41.707 110.465,41.707 110.465,37.516 113.233,37.516
  region net VDD_12.0V: 113.106,24.562 110.338,24.562 110.338,20.371 113.106,20.371
  region net VDD_3.3V: 134.493,58.903 131.699,58.903 131.699,54.966 134.493,54.966
  region net VDD_5.0V: 160.223,75.514 153.441,75.514 153.441,71.222 160.223,71.222
  region net VDD_5.0V: 179.451,44.704 173.38,44.704 173.38,42.443 179.451,42.443
  region net GND: 70.053,43.002 66.446,43.002 66.446,39.599 70.053,39.599
  text "诚以待人" at 215.534,84.89 h3.81
  text "毅以处事" at 215.941,81.661 h3.81
  text "传承创新" at 215.948,5.934 h3.81
  text "自强不息" at 216.502,2.706 h3.81
Bottom Layer:
  region net VDD_5.0V: 134.569,24.765 131.674,24.765 131.674,20.523 134.569,20.523
  region net VDD_5.0V: 134.468,41.834 131.674,41.834 131.674,37.617 134.468,37.617
  region net DGND: 187.071,45.568 182.016,45.568 182.016,43.993 187.071,43.993
  region net USB_DM2: 184.125,49.301 182.804,49.301 182.804,47.625 184.125,47.625
  region net GND: 70.053,43.053 66.421,43.053 66.421,39.726 70.053,39.726

## Silkscreen, mask and mechanical layers (free items; w line width, h text height)
Top Overlay:
  lines w0.254: -6.16,88.423 -5.66,89.95 ; -5.914,89.948 -5.406,89.951 ; -5.7,1.471 -5.184,-0.05 ; -5.463,52.847 -5.66,89.95 ; -5.438,-0.052 -4.93,-0.049 ; -5.38,37.053 -5.184,-0.05 ; -5.144,88.429 -5.66,89.95 ; -4.684,1.476 -5.184,-0.05 ; 5.066,98.672 5.066,99.18 ; 6.591,98.418 5.066,98.926 ; 6.59,99.434 5.066,98.926 ; 108.748,98.96 5.066,98.926 ; 126.319,98.966 230,99 ; 152.679,24.308 155.88,24.308 156.464,23.724 ; 212.306,45 214.904,45 ; 228.476,98.491 230,99 ; 228.476,99.507 230,99 ; 230,98.746 230,99.254
  lines w0.381: 9.178,78.466 13.852,78.466 14.602,77.716 ; 43.078,86.766 47.752,86.766 48.502,86.016
  text "224.934 (mm)" at 109.002,98.046 h1.52 r0.02
  text "12V" at 95.199,88.748 h1.52
  text "5V" at 99.466,88.75 h1.52
  text "3.3V" at 102.895,88.748 h1.52
  text "GND" at 106.959,88.736 h1.52
  text "M3X4" at 43.129,87.147 h2.03
  text "USB" at 163.576,86.385 h2.54
  text "NanoPi NEO Core" at 212.928,85.75 h2.54 r270
  text "5.0V" at 158.623,82.416 h1.02
  text "3.3V" at 124.409,81.095 h1.02
  text "3.3V" at 147.117,80.867 h1.02
  text "DM" at 158.623,80.385 h1.02
  text "SCL" at 124.409,79.899 h1.02
  text "SCL" at 147.117,79.671 h1.02
  text "M3X4" at 9.229,78.847 h2.03
  text "SDA" at 124.409,78.713 h1.02
  text "SDA" at 147.117,78.484 h1.02
  text "DP" at 158.623,78.364 h1.02
  text "GND" at 124.409,77.517 h1.02
  text "GND" at 147.117,77.289 h1.02
  text "MIC" at 207.01,77.064 h2.54
  text "GND" at 158.572,76.352 h1.02
  text "MS5837" at 117.119,71.984 h2.54
  text "I2C2" at 140.259,71.984 h2.54
  text "Camera" at 149.631,71.704 h2.54
  text "接线板" at 165.735,67.513 h3.81 r270
  text "3.3V" at 121.107,60.63 h2.54
  text "90.001 (mm)" at -6.376,52.588 h1.52 r270.3
  text "5.0V" at 121.103,43.561 h2.54
  text "电力载波模块" at 213.258,38.506 h2.54 r270
  text "5.0V" at 121.103,26.238 h2.54
  text "BEEP" at 201.676,25.222 h2.54
  text "M2X4" at 152.552,24.562 h1.52
  text "JY901" at 161.722,17.882 h2.54
  text "NET" at 118.745,17.374 h2.54
  text "RXIN" at 124.333,12.954 h1.02
  text "RXIP" at 124.333,11.758 h1.02
  text "TXON" at 124.333,10.572 h1.02
  text "TXOP" at 124.333,9.376 h1.02
  text "主控板" at 6.361,5.258 h4.06
  text "MainBoard V2.0" at 6.488,2.997 h3.3
  text "B2002.2 2020/06/12" at 6.463,0.457 h3.3
Bottom Overlay:
  text "TX" at 164.617,79.187 h1.52 r270
  text "RX" at 167.206,79.187 h1.52 r270
  text "5.0V" at 169.926,78.384 h1.52 r270
  text "GND" at 162.077,78.232 h1.52 r270
  text "UART" at 167.894,75.743 h2.54
  text "5.0V" at 182.107,50.342 h1.52
  text "GND IN" at 76.251,49.505 h2.54 r180
  text "DM" at 182.107,48.325 h1.52
  text "DP" at 182.107,46.322 h1.52
  text "DC310V" at 76.2,45.72 h2.54 r180
  text "GND" at 182.107,44.334 h1.52
  text "TXD" at 182.107,42.317 h1.52
  text "GND" at 76.378,41.732 h2.54 r180
  text "UART" at 192.477,41.072 h2.54
  text "RXD" at 182.107,40.314 h1.52
Top Solder:
  text "诚以待人" at 215.534,84.915 h3.81
  text "毅以处事" at 215.941,81.636 h3.81
  text "传承创新" at 215.922,5.96 h3.81
  text "自强不息" at 216.502,2.68 h3.81
Bottom Solder:
  lines w3.302: 61.62,7.137 cw(c61.62,9.677) 59.08,9.677 59.08,46.787 cw(c61.62,46.787) 61.62,49.327 68.707,49.327 ; 61.722,7.163 99.354,7.163 ccw(c99.354,9.703) 101.894,9.703 ; 65.038,12.725 cw(c65.038,14.517) 63.246,14.517 63.246,43.995 cw(c64.615,43.995) 64.615,45.364 68.859,45.364 ; 101.894,9.728 101.894,12.929 ; 101.894,22.456 101.894,12.929 ; 104.604,12.929 101.894,12.929

## Text inside footprints (layer, text, board x,y; h text height)
LOGO1: Top Overlay "1918" at 190.757,15.245 h1.27
MIC1: Top Overlay "+" at 209.366,80.726 h1.52 r270
P9: Top Overlay "-V0" at 62.734,68.004 h1.02 r90; Top Overlay "+V0" at 89.734,67.763 h1.02 r90; Top Overlay "AC" at 80.609,21.063 h1.02 r90; Top Overlay "AC" at 71.684,21.063 h1.02 r90; Top Overlay "~" at 78.684,18.613 h10 r90; Top Overlay "-" at 78.19,68.863 h12 r90
U2: Top Overlay "+" at 208.458,27.94 h2 r90
U6: Top Overlay "Y" at 164.265,12.45 h0.89; Top Overlay "X" at 166.093,10.952 h0.89 r180; Top Overlay "Z" at 163.088,7.798 h0.89 r180; Top Overlay "VCC" at 158.237,13.002 h0.89; Top Overlay "GND" at 158.237,5.382 h0.89; Top Overlay "RX" at 158.491,10.462 h0.89; Top Overlay "TX" at 158.491,7.922 h0.89; Top Overlay "D0" at 158.237,15.542 h0.89; Top Overlay "D1" at 158.491,2.842 h0.89
U10: Top Overlay "NC" at 197.759,7.831 h1.4 r270; Top Overlay "NC" at 199.715,7.856 h1.4 r270; Top Overlay "AC/L" at 193.644,8.77 h1.4 r270; Top Overlay "AC/N" at 201.848,9.05 h1.4 r270; Top Overlay "GND" at 179.776,34.043 h1.52 r270; Top Overlay "12V" at 181.712,35.966 h1.52 r270; Top Overlay "RXN" at 183.675,34.145 h1.52 r270; Top Overlay "RXP" at 185.649,35.941 h1.52 r270; Top Overlay "TXN" at 187.688,34.143 h1.52 r270; Top Overlay "TXP" at 189.535,35.992 h1.52 r270; Top Overlay "GND" at 201.752,35.839 h1.52 r270; Top Overlay "NC" at 195.676,7.856 h1.4 r270
U12: Top Overlay "Vi-" at 116.045,32.544 h2; Top Overlay "Vi+" at 116.045,21.876 h2; Top Overlay "Vo-" at 125.925,32.443 h2; Top Overlay "Vo+" at 125.8,21.8 h2
U13: Top Overlay "Vi-" at 116.045,49.786 h2; Top Overlay "Vi+" at 116.045,39.118 h2; Top Overlay "Vo-" at 125.925,49.685 h2; Top Overlay "Vo+" at 125.8,39.042 h2
U14: Top Overlay "Vi-" at 116.045,67.028 h2; Top Overlay "Vi+" at 116.045,56.36 h2; Top Overlay "Vo-" at 125.925,66.926 h2; Top Overlay "Vo+" at 125.8,56.284 h2